# Altium PCB Mynd_Main.PcbDoc (part 5 of 5)
Units mm, origin at the board's own origin, x right, y up, seen from the top; angles counter-clockwise.
Board outline 75 x 136 mm, 4 copper layers (Component Side, Mid Layer 1, Mid Layer 2, Solder Side), stack 1.58 mm thick; 561 components, 261 nets, 1529 pads, 1417 vias.
Unrouted connection lines stored in the file: 7.
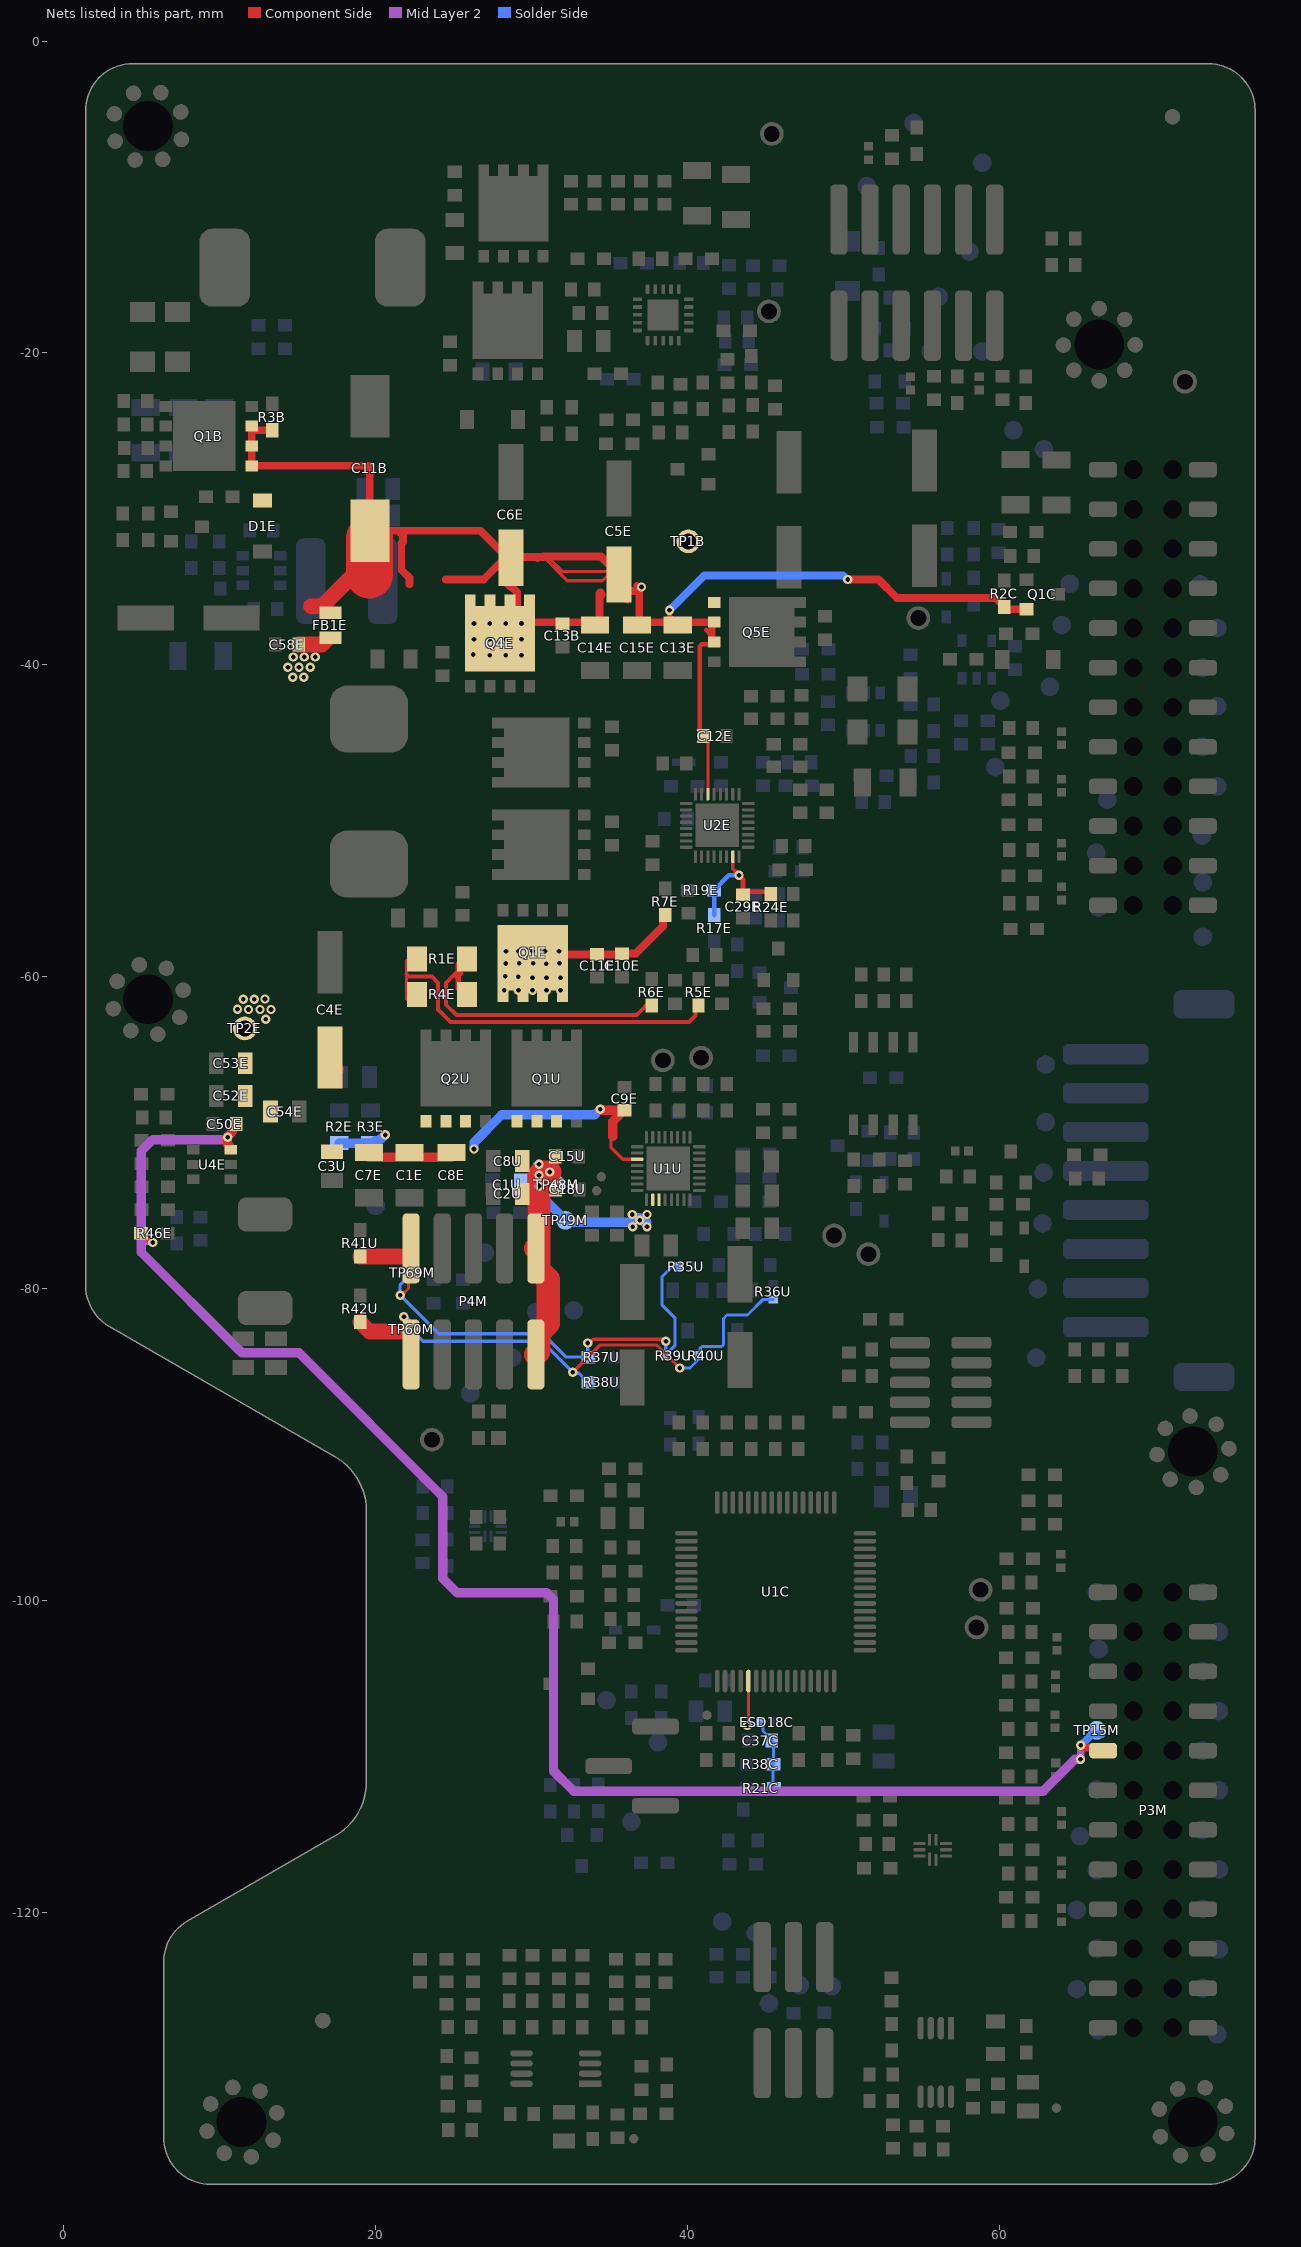
[diagram p7: the nets of this part, all layers, seen from the top]

## Via types
v1: diameter 0.6, hole 0.3, Component Side to Solder Side, tented both sides, 1239 vias
v2: diameter 0.61, hole 0.305, Component Side to Solder Side, tented both sides, 110 vias
v3: diameter 0.7, hole 0.3, Component Side to Solder Side, tented both sides, 50 vias
v4: diameter 0.55, hole 0.25, Component Side to Solder Side, tented both sides, 15 vias
v5: diameter 0.65, hole 0.3, Component Side to Solder Side, tented both sides, 2 vias
v6: diameter 0.55, hole 0.3, Component Side to Solder Side, tented both sides, 1 vias

## Nets (pads, with @x,y where several pads share a name; then routed paths per layer and width w, separated by ;. In a path a pad name is that pad's centre, name@x,y a point inside that pad or via, vN(x,y) a via of type N, cw(c..) or ccw(c..) an arc to the next point about the centre after c; other vN are vias at no path point) (continued)
USB_SBU1: P4M.9 R35U.2 R37U.2 R39U.1 R41U.2 TP69M.1 | length 35.8
  Component Side w0.2: v1(21.567,-80.432) 21.668,-80.432 22.1,-80 22.1,-77.95 22.1,-77.599 P4M.9@22.267,-77.432 ; v1(33.6,-83.5) 33.708,-83.5 33.955,-83.253 34.093,-83.253 34.095,-83.255 38.368,-83.255 38.502,-83.39 v1(38.61,-83.39)
  Component Side w1: R41U.2@19,-77.95 P4M.9@22.1,-77.95
  Solder Side w0.2: TP69M.1@22.334,-79 21.567,-79.767 v1(21.567,-80.432) 24.035,-82.9 30.709,-82.9 32.209,-84.4 R37U.2@33.65,-84.4 33.6,-84.35 v1(33.6,-83.5) ; R39U.1@38.6,-84.3 R39U.1@38.6,-84.25 ; v1(38.61,-83.39) 38.6,-83.4 R39U.1@38.6,-84.25 ; R35U.2@39.4,-78.6 39.367,-78.633 38.967,-78.633 38.37,-79.23 38.37,-81.07 39.2,-81.9 39.2,-83.65 R39U.1@38.6,-84.25
USB_SBU2: P4M.10 R36U.2 R38U.1 R40U.1 R42U.2 TP60M.1 | length 35.6
  Component Side w0.2: v1(21.807,-81.81) 21.883,-81.886 21.883,-82.053 22.267,-82.437 P4M.10@22.267,-82.807 ; v1(32.633,-85.361) 34.359,-83.635 38.035,-83.635 v1(39.5,-85.1)
  Component Side w1: R42U.2@19,-82.15 19.607,-82.757 22.217,-82.757 P4M.10@22.267,-82.807
  Solder Side w0.2: v1(21.807,-81.81) 21.915,-81.81 TP60M.1@22.314,-82.209 ; TP60M.1@22.267,-82.622 23.027,-83.382 30.654,-83.382 v1(32.633,-85.361) 32.71,-85.438 33.038,-85.438 33.6,-86 R38U.1@33.65,-86 ; v1(39.5,-85.1) 40.15,-85.1 40.8,-84.45 R40U.1@40.8,-84.3 ; R40U.1@40.7,-84.3 R40U.1@40.8,-84.3 ; R36U.2@45.5,-80.7 44.846,-80.7 43.846,-81.7 42.53,-81.7 42.3,-81.93 42.3,-83.603 42.183,-83.72 40.929,-83.72 40.811,-83.837 40.811,-84.289 R40U.1@40.8,-84.3
VbatADC: C37C.1 ESD18C.2 R21C.1 R38C.2 U1C.21 | length 8.4
  Component Side w0.2: v1(43.82,-108.026) 43.82,-107.918 43.9,-107.838 U1C.21@43.9,-105.175
  Solder Side w0.2: v1(43.82,-108.026) 43.823,-108.023 44.485,-108.023 44.66,-107.848 ESD18C.2@44.66,-107.823 44.835,-107.998 44.835,-108.378 45.398,-108.941 C37C.1@45.398,-108.991 45.515,-109.108 R38C.2@45.515,-110.515 45.488,-110.543 45.488,-111.999 R21C.1@45.529,-112.04
VBUS: C1E.1 C3U.1 C4E.1 C7E.2 C8E.2 C9E.1 Q2U.1 Q2U.2 Q2U.3 R1E.1 R2E.1 R3E.1 R4E.1 R5E.1 U1U.19 | length 49.3
  Component Side w0.2: 21.967,-61.457 21.967,-59.865 21.967,-58.957 ; 35.2,-70.25 35.1,-70.35 35.1,-70.97 35.838,-71.708 U1U.19@36.757,-71.708
  Component Side w0.25: 21.967,-59.865 22.102,-60 23.6,-60 24,-60.4 24,-62.1 24.8,-62.9 40.1,-62.9 40.5,-62.5 R5E.1@40.5,-61.85
  Component Side w0.6: C4E.1@17.167,-66.782 17.167,-66.432 C4E.1@17.667,-65.932 ; C7E.2@19.567,-71.582 C8E.2@24.867,-71.582 ; v1(34.4,-68.5) 34.477,-68.577 C9E.1@35.917,-68.577 ; 35.2,-70.25 35.2,-69.294 35.817,-68.677 35.867,-68.677 C9E.1@35.967,-68.577
  Solder Side w0.6: R2E.1@17.667,-70.682 19.817,-70.682 19.967,-70.532 20.187,-70.532 20.318,-70.401 20.349,-70.401 v1(20.6,-70.15) ; v1(26.3,-71.05) 26.3,-70.634 28.084,-68.85 34.05,-68.85 v1(34.4,-68.5)
VBUS_2: C10E.2 C11E.1 Q1E.5 Q1E.6 Q1E.7 Q1E.8 R1E.2 R4E.2 R6E.1 R7E.1 | length 29.1
  Component Side w0.25: 25.292,-60.008 25.5,-59.8 ; R1E.2@25.292,-59.608 25.068,-59.832 24.5,-60.4 24.5,-61.8 25.17,-62.47 36.73,-62.47 37.025,-62.175 ; 37.025,-62.175 R6E.1@37.436,-61.764
  Component Side w0.35: 25.167,-59.932 25.267,-59.932 ; R4E.2@25.567,-61.332 25.567,-61.007 25.292,-60.732 25.292,-60.008 25.292,-59.957 25.267,-59.932 ; R1E.2@25.567,-58.932 25.292,-59.207 25.292,-59.608 25.292,-59.907 25.267,-59.932 ; R4E.2@25.767,-61.232 R4E.2@25.767,-61.132
  Component Side w0.5: Q1E.8@30.072,-58.782 30.288,-58.565 Q1E.8@31.751,-58.565 ; Q1E.8@31.751,-58.587 34.667,-58.587 34.967,-58.587 34.972,-58.582 35.8,-58.582 35.865,-58.517 36.683,-58.517 38.425,-56.775 38.425,-56.2 R7E.1@38.575,-56.05
  other v1: 28.251,-60.865 29.151,-60.865 30.051,-60.865 30.951,-60.865 31.851,-60.865 30.051,-60.065 30.951,-60.065 31.851,-60.065 29.133,-60.007 28.308,-59.982 30.933,-59.182 28.333,-59.157 29.2,-59.15 30.1,-59.15 31.783,-59.132 28.351,-58.365 29.151,-58.365 30.051,-58.365 30.851,-58.365 31.751,-58.365
VBUS_C: C1U.1 C2U.1 C8U.1 C15U.1 C18U.1 P4M.1 P4M.2 Q1U.1 Q1U.2 Q1U.3 TP48M.1 TP49M.1 U1U.26 U1U.27 | length 22.8
  Component Side w1.5: P4M.2@30.267,-84.232 30.467,-84.032 30.467,-82.732 30.567,-82.732 31.053,-82.246 31.053,-79.418 30.567,-78.932 30.467,-78.932 30.467,-77.632 P4M.1@30.267,-77.432 ; P4M.1@30.467,-77.432 v1(30.467,-73.432) v1(30.467,-72.732) 30.667,-72.532 v1(31.167,-72.532)
  Solder Side w0.6: v1@30.367,-72.632 30.317,-72.582 30.317,-72.182 v1(30.467,-72.032) ; v1(30.467,-72.732) 30.417,-72.782 30.417,-73.432 v1(30.467,-73.432) 30.467,-73.932 31.99,-75.454 TP49M.1@32.167,-75.632 ; TP49M.1@32.367,-75.432 32.696,-75.76 36.375,-75.76 36.685,-75.45 36.9,-75.45 37.2,-75.75 v1@37.4,-75.75
  other v1: 36.48,-76.03 37.4,-76.03 36.93,-75.63 36.45,-75.25 37.4,-75.25
VDDA: C29E.1 R17E.2 R19E.2 R24E.1 U2E.7 | length 7.9
  Component Side w0.2: U2E.7@42.9,-52.3 42.9,-53.1 43.05,-53.25
  Component Side w0.3: 43.05,-53.25 v1(43.3,-53.5) 43.55,-53.75 43.55,-54.55 45.225,-54.55 R24E.1@45.325,-54.65
  Solder Side w0.3: R17E.2@41.7,-56.05 R19E.2@41.7,-54.45 42.65,-53.5 v1(43.3,-53.5)
VSys: C5E.1 C6E.1 C11B.1 C12E.2 C13B.2 C13E.2 C14E.2 C15E.2 D1E.A FB1E.1 Q1B.1 Q1B.2 Q1B.3 Q1C.S Q4E.5 Q4E.6 Q4E.7 Q4E.8 Q5E.1 Q5E.2 Q5E.3 R2C.2 R3B.1 TP1B.1 U2E.22 | length 119.9
  Component Side w0.2: 29.942,-33.007 30.667,-33.007 30.742,-33.082 ; 30.617,-32.982 30.742,-32.982 ; 30.742,-33.057 32.292,-34.607 34.542,-34.607 35.142,-34.007 31.967,-34.007 31.017,-33.057 30.917,-32.957 30.742,-32.957 ; C12E.2@40.775,-44.375 40.962,-44.562 40.985,-44.585 C12E.2@41.3,-44.9 ; U2E.22@41.3,-48.3 C12E.2@41.3,-44.925 ; Q5E.3@41.7,-38.535 Q5E.2@41.7,-37.265
  Component Side w0.3: v1(38.842,-36.507) 38.842,-36.882 39.225,-37.265 C13E.2@39.367,-37.407 ; C12E.2@40.775,-44.375 40.775,-38.825 40.92,-38.68 Q5E.3@41.555,-38.68 ; 41.192,-37.757 41.467,-38.032 ; 41.467,-37.732 41.467,-38.032 ; 41.467,-38.032 41.555,-38.12 Q5E.3@41.555,-38.39 ; 41.467,-38.032 41.467,-38.302 Q5E.3@41.555,-38.39 ; Q5E.3@41.555,-38.68 Q5E.3@41.555,-38.39 ; Q5E.3@41.555,-38.68 Q5E.3@41.7,-38.535 Q5E.3@41.555,-38.39
  Component Side w0.5: R3B.1@13.367,-24.957 12.302,-24.957 Q1B.3@12.042,-24.697 Q1B.2@12.042,-25.967 Q1B.1@12.042,-27.237 19.617,-27.237 C11B.1@19.617,-31.407 21.455,-31.407 ; 22.16,-34.839 22.16,-34.425 21.642,-33.907 21.642,-32.22 21.747,-32.114 21.747,-31.7 21.455,-31.407 ; 24.492,-34.522 26.927,-34.522 28.367,-33.082 29.667,-33.082 29.692,-33.107 29.717,-33.082 30.292,-33.082 30.367,-33.157 30.442,-33.082 30.742,-33.082 ; C6E.1@28.367,-33.057 26.717,-31.407 21.455,-31.407 ; C6E.1@28.373,-34.742 28.626,-34.996 28.711,-34.996 29.065,-35.35 29.065,-38.2 30,-37.265 C14E.2@34.5,-37.265 ; 30.742,-33.057 31.017,-33.057 34.442,-33.057 C5E.1@35.217,-33.832 ; C14E.2@34.35,-37.19 34.35,-35.424 34.392,-35.382 ; 34.38,-35.369 34.392,-35.382 ; 34.43,-35.344 34.392,-35.382 ; 34.492,-35.482 34.392,-35.382 ; C5E.1@35.242,-34.907 35.292,-34.957 35.317,-34.982 35.905,-35.569 C5E.1@36.15,-35.815 ; C5E.1@35.417,-34.732 C5E.1@35.492,-34.807 ; C5E.1@36.03,-35.444 36.205,-35.269 36.779,-35.269 v1@36.9,-35.149 ; v1@36.767,-34.932 36.9,-35.065 v1@36.9,-35.149 ; v1(37.042,-35.007) v1@36.9,-35.149 ; Q5E.2@41.7,-37.265 39.225,-37.265 36.9,-37.265 v1@36.9,-35.149 ; v1(50.267,-34.532) 52.242,-34.532 53.417,-35.707 59.742,-35.707 R2C.2@60.317,-36.282 ; R2C.2@60.317,-36.432 Q1C.S@61.742,-36.432
  Component Side w1: 15.85,-36.246 16.559,-36.246 18.555,-34.25 19.6,-34.25
  Component Side w3: 19.6,-34.25 C11B.1@19.6,-31.907
  Solder Side w0.5: v1(38.842,-36.507) 41.083,-34.265 49.973,-34.265 50.24,-34.532 v1(50.267,-34.532)
  other v1: 27.319,-39.381 28.335,-39.381 29.351,-39.381 26.247,-39.341 26.303,-38.365 27.319,-38.365 28.335,-38.365 29.351,-38.365 26.303,-37.349 27.319,-37.349 28.335,-37.349 29.351,-37.349
VSys1: C50E.1 C52E.1 C53E.1 C54E.1 C58E.1 FB1E.2 P3M.9 R46E.1 TP2E.1 TP15M.1 U4E.3 | length 106.9
  Component Side w0.3: R46E.1@4.95,-76.45 5,-76.45 5.542,-76.993 5.643,-76.993 v1(5.7,-77.05)
  Component Side w0.5: v1(65.213,-109.287) 65.24,-109.287 65.392,-109.439 66.449,-109.439 P3M.9@66.65,-109.64
  Component Side w0.6: U4E.3@10.7,-71.1 10.6,-71.1 10.6,-70.849 10.475,-70.724 10.475,-70.275 10.795,-69.955 10.795,-69.75 11.045,-69.5 C50E.1@11.045,-69.45
  Component Side w1: C58E.1@15.055,-38.7 16.547,-38.7 FB1E.2@16.894,-38.352
  Mid Layer 2 w0.3: 4.965,-77.05 v1(5.7,-77.05)
  Mid Layer 2 w0.5: v1@65.213,-110.198 v1(65.213,-109.287)
  Mid Layer 2 w0.6: v1@10.3,-70.45 5.7,-70.45 4.965,-71.185 4.965,-76.315 4.965,-77.05 4.965,-77.683 11.231,-83.949 11.407,-84.125 15.075,-84.125 24.3,-93.35 24.3,-98.6 25.217,-99.517 30.967,-99.517 31.4,-99.95 31.4,-110.95 32.7,-112.25 62.799,-112.25 64.851,-110.198 v1(65.195,-110.198)
  Solder Side w0.5: v1(65.213,-109.287) 65.24,-109.287 65.935,-108.592 TP15M.1@66.567,-108.592
  other v1: 10.5,-70.3 12.945,-62.722 11.13,-62.1 11.841,-62.103 12.578,-62.103 13.284,-62.103 11.5,-61.443 12.2,-61.443 12.9,-61.432 14.681,-40.792 15.392,-40.792 14.368,-40.149 15.08,-40.149 15.792,-40.149 14.705,-39.5 15.418,-39.5 16.129,-39.5
pads on no net: MK1M.0 MK1M.1 MK1M.MK_B MK1M.MKT MK2M.0 MK2M.1 MK2M.MK_B MK2M.MKT P2C.3 P2C.6 P2C.7 P2C.8 P2C.9 P2M.M1 P2M.M2 P2M.M3 P2M.M4 P2M.M5 P2M.M6 P2M.M7 P2M.M8 P2M.M9 P2M.M10 P2M.M11 P2M.M12 P2M.M13 P2M.M14 P2M.M15 P2M.M16 P2M.M17 P2M.M18 P2M.M19 P2M.M20 P2M.M21 P2M.M22 P2M.M23 P2M.M24 P3M.M1 P3M.M2 P3M.M3 P3M.M4 P3M.M5 P3M.M6 P3M.M7 P3M.M8 P3M.M9 P3M.M10 P3M.M11 P3M.M12 P3M.M13 P3M.M14 P3M.M15 P3M.M16 P3M.M17 P3M.M18 P3M.M19 P3M.M20 P3M.M21 P3M.M22 P3M.M23 P3M.M24 U1C.3 U1C.4 U1C.5 U1C.52 U1C.53 U1C.56 U1U.13 U1U.18 U2B.1 U2E.5

## Polygon pours and split planes (outlines as drawn)
GND on Mid Layer 2 "NONET_L-01_P-001" (solid, remove dead copper, pour order 49): 9.34,-137.394 cw(c9.34,-134.394) 6.34,-134.394 6.34,-123.132 cw(c9.34,-123.132) 7.84,-120.534 17.34,-115.049 ccw(c15.34,-111.585) 19.34,-111.585 19.34,-94.204 ccw(c15.34,-94.204) 17.34,-90.74 2.84,-82.368 cw(c4.34,-79.77) 1.34,-79.77 1.34,-4.394 cw(c4.34,-4.394) 4.34,-1.394 73.34,-1.394 cw(c73.34,-4.394) 76.34,-4.394 76.34,-134.394 cw(c73.34,-134.394) 73.34,-137.394
3V3_MCU on Mid Layer 2 "3.3V_MCU" (solid, remove dead copper, pour order 40): 35.925,-104.8 42.386,-111.261 50.089,-111.261 55.4,-105.95 55.4,-86.75 40.9,-86.75 35.925,-91.725
VSys1 on Mid Layer 2 "NONET_L-01_P-001" (solid, pour order 47): 10.311,-37.871 7.468,-40.715 7.468,-56.159 9.855,-58.547 9.855,-64.284 13.16,-64.284 13.919,-63.525 13.97,-63.525 13.97,-57.125 11.913,-55.067 11.913,-42.469 13.056,-41.326 15.875,-41.326 16.553,-40.648 16.553,-37.871
24V on Mid Layer 2 "NONET_L-01_P-001" (solid, pour order 46): 43.5,-5.2 46.9,-5.2 50.866,-9.166 50.866,-25.334 45.634,-25.334 43.5,-23.2 43.5,-9.3
GND on Solder Side "NONET_L-01_P-001" (solid, remove dead copper, pour order 38): 9.023,-137.401 cw(c9.023,-134.401) 6.023,-134.401 6.023,-123.139 cw(c9.023,-123.139) 7.523,-120.541 17.023,-115.056 ccw(c15.023,-111.592) 19.023,-111.592 19.023,-94.211 ccw(c15.023,-94.21) 17.023,-90.746 2.523,-82.375 cw(c4.023,-79.777) 1.023,-79.777 1.023,-4.401 cw(c4.023,-4.401) 4.023,-1.401 73.023,-1.401 cw(c73.023,-4.401) 76.023,-4.401 76.023,-134.401 cw(c73.023,-134.401) 73.023,-137.401
GND on Component Side "NONET_L-01_P-001" (solid, remove dead copper, pour order 42): 9.34,-137.394 cw(c9.34,-134.394) 6.34,-134.394 6.34,-123.132 cw(c9.34,-123.132) 7.84,-120.534 17.34,-115.049 ccw(c15.34,-111.585) 19.34,-111.585 19.34,-94.204 ccw(c15.34,-94.204) 17.34,-90.74 2.84,-82.368 cw(c4.34,-79.77) 1.34,-79.77 1.34,-4.394 cw(c4.34,-4.394) 4.34,-1.394 73.34,-1.394 cw(c73.34,-4.394) 76.34,-4.394 76.34,-134.394 cw(c73.34,-134.394) 73.34,-137.394
GND on Mid Layer 1 (split plane): 73.4,-1.96 73.563,-1.96 73.887,-2.003 74.202,-2.088 74.503,-2.212 74.786,-2.376 75.045,-2.574 75.276,-2.805 75.474,-3.064 75.638,-3.347 75.762,-3.648 75.847,-3.963 75.89,-4.287 75.89,-4.45 75.89,-134.45 75.89,-134.613 75.847,-134.937 75.762,-135.252 75.638,-135.553 75.474,-135.836 75.276,-136.095 75.045,-136.326 74.786,-136.524 74.503,-136.688 74.202,-136.812 73.887,-136.897 73.563,-136.94 73.4,-136.94 9.4,-136.94 9.237,-136.94 8.913,-136.897 8.598,-136.812 8.297,-136.688 8.014,-136.524 7.755,-136.326 7.524,-136.095 7.326,-135.836 7.162,-135.553 7.038,-135.252 6.953,-134.937 6.91,-134.613 6.91,-134.45 6.91,-123.188 6.91,-123.024 6.953,-122.701 7.038,-122.386 7.162,-122.084 7.326,-121.802 7.524,-121.543 7.755,-121.312 8.014,-121.113 8.155,-121.032 17.655,-115.547 17.662,-115.542 17.67,-115.538 17.892,-115.4 17.912,-115.385 17.933,-115.371 18.348,-115.053 18.373,-115.03 18.398,-115.009 18.768,-114.639 18.79,-114.613 18.812,-114.589 19.131,-114.174 19.148,-114.145 19.168,-114.118 19.43,-113.665 19.443,-113.635 19.459,-113.605 19.659,-113.122 19.669,-113.09 19.681,-113.058 19.816,-112.553 19.822,-112.52 19.829,-112.488 19.898,-111.969 19.898,-111.944 19.902,-111.919 19.91,-111.657 19.91,-111.649 19.91,-111.641 19.91,-94.259 19.91,-94.251 19.91,-94.243 19.902,-93.981 19.898,-93.956 19.898,-93.931 19.829,-93.412 19.822,-93.38 19.816,-93.347 19.681,-92.842 19.669,-92.81 19.659,-92.778 19.459,-92.295 19.443,-92.265 19.43,-92.235 19.168,-91.782 19.148,-91.755 19.131,-91.726 18.812,-91.311 18.789,-91.287 18.768,-91.261 18.398,-90.891 18.373,-90.87 18.348,-90.847 17.933,-90.529 17.912,-90.515 17.892,-90.5 17.67,-90.362 17.662,-90.358 17.655,-90.353 3.155,-81.982 3.014,-81.9 2.755,-81.701 2.524,-81.471 2.326,-81.212 2.162,-80.929 2.038,-80.628 1.953,-80.312 1.91,-79.989 1.91,-79.826 1.91,-4.45 1.91,-4.287 1.953,-3.963 2.038,-3.648 2.162,-3.347 2.326,-3.064 2.524,-2.805 2.755,-2.574 3.014,-2.376 3.297,-2.212 3.598,-2.088 3.913,-2.003 4.237,-1.96 4.4,-1.96

## Keep-outs
Keep-Out Layer:
  circle w0.1: c67.4,-133.45 r1
  lines w0.1: 1.4,-79.826 ccw(c4.4,-79.826) 2.9,-82.424 17.4,-90.795 cw(c15.4,-94.259) 19.4,-94.259 19.4,-111.641 cw(c15.4,-111.641) 17.4,-115.105 7.9,-120.59 ccw(c9.4,-123.188) 6.4,-123.188 6.4,-134.45 ccw(c9.4,-134.45) 9.4,-137.45 73.4,-137.45 ccw(c73.4,-134.45) 76.4,-134.45 76.4,-4.45 ccw(c73.4,-4.45) 73.4,-1.45 4.4,-1.45 ccw(c4.4,-4.45) 1.4,-4.45 1.4,-79.826 ; 4.4,-10.95 ccw(c5.4,-10.95) 6.4,-10.95 6.4,-9.95 ccw(c5.4,-9.95) 4.4,-9.95 4.4,-10.95

## Other copper
Component Side:
  region net VSys1: 10.262,-70.155 10.236,-70.129 10.49,-69.875 10.49,-62.103 11.506,-61.087 13.081,-61.087 13.564,-61.57 13.564,-68.986 11.151,-71.399 10.262,-71.399
  region net VSys1: 15.519,-41.097 14.351,-41.097 13.995,-40.742 13.995,-39.726 14.503,-39.218 14.503,-38.202 14.834,-37.871 17.729,-37.871 17.805,-37.948 17.805,-38.811
  region net VSys: 15.621,-37.135 15.113,-36.627 15.113,-31.267 16.383,-29.997 21.332,-29.997 21.793,-30.458 21.793,-35.433 20.066,-37.16 18.567,-37.16 18.542,-37.135
  region net 3V3_STB: 29.5,-101.307 29.996,-101.803 31.699,-101.803 31.801,-101.702 31.801,-99.339 29.5,-99.339
  region net VBUS_C: 37.737,-74.746 37.425,-75.059 37.425,-75.225 37.4,-75.25 37.499,-75.349 37.9,-75.349 37.9,-74.909
  region net VBUS_C: 36.167,-74.938 36.919,-74.938 37.667,-74.938 37.667,-74.449 37.808,-74.308 38.217,-74.308 38.217,-75.346 37.9,-75.663 37.9,-76.327 36.373,-76.327 36.167,-76.121
  pour cut-out: 50.3,-68.8 54.773,-68.898 54.773,-71.677 53.674,-72.775 50.375,-72.775 50.043,-72.443 50.043,-69.057
  pour cut-out: 64.621,-83.578 67.821,-83.578 67.921,-83.678 67.921,-84.278 67.821,-84.378 64.521,-84.378 64.643,-84.256 64.643,-83.599
  pour cut-out: 64.8,-85.2 68,-85.2 68.1,-85.3 68.1,-85.9 68,-86 64.7,-86 64.821,-85.879 64.821,-85.221
  pour cut-out: 67.8,-97.6 67.8,-120.196 67.85,-120.247 71.85,-120.247 72,-120.096 72,-98.86 71.735,-98.595 71.735,-98.565 70.77,-97.6 67.9,-97.6
  region net NetR14E_1: 53.5,-45.2 52.9,-44.6 52.9,-41 53.1,-40.8 55,-40.8 55.5,-41.3 55.5,-45 55.3,-45.2
  region net NetC24E_1: 51.5,-42.4 51.5,-37.7 47.782,-37.7 46.9,-36.818 46.9,-40.1 49.2,-42.4
  pour cut-out: 26,-95.15 28.3,-95.15 28.3,-95.95 26,-95.95
  region net 5V_CCPD: 34.2,-79.95 34.2,-81.599 34.401,-81.8 43.2,-81.8 44.3,-80.7 44.3,-77.7 43.7,-77.1 40.9,-77.1 39,-75.2 39,-73.95 38.6,-73.95 38.5,-74.05 38.5,-75.35 38.1,-75.75 38.1,-78.25 37.9,-78.45 35.7,-78.45 34.379,-79.771
  region net 5V_CCPD: 25.9,-89.35 25.618,-89.068 23.482,-89.032 14.5,-80.05 11.344,-80.05 10.667,-80.727 10.667,-84.032 10.785,-84.15 14.3,-84.15 21.882,-91.732 25.618,-91.732 25.9,-91.45
  region net 24V: 25.092,-5.032 48.4,-5.032 48.4,-20.265 52.485,-24.35 66.817,-24.35 66.817,-25.8 67.9,-26.883 67.68,-27.103 67.68,-29.465 67.263,-29.882 65.817,-29.882 64.742,-28.807 45.842,-28.807 45.842,-24.882 46.5,-24.224 46.5,-12.5 43.557,-9.557 26.642,-9.557 25.092,-8.007
  pour cut-out: 26.565,-88.35 27.95,-88.35 27.95,-89.15 26.565,-89.15
  region net NetC42E_1: 9,-36.75 9,-38.32 9.431,-38.751 10.621,-38.751 11.2,-38.172 11.2,-36.15 9.6,-36.15
  region net VBUS_2: 25.767,-57.432 32.567,-57.432 32.672,-57.537 32.672,-61.882 32.617,-61.882 32.467,-62.032 25.567,-62.032 25.067,-61.532 25.067,-57.532 25.167,-57.432
  region net NetC2E_2: 39.551,-51.665 39.511,-51.705 39.511,-52.105 39.051,-52.565 39.051,-53.165 39.251,-53.365 39.751,-53.365 40.2,-52.916 40.2,-51.662
  region net NetC3E_2: 40.351,-45.065 40.9,-45.615 40.9,-47.416 40.851,-47.465 40.751,-47.365 40.251,-47.365 39.68,-46.795 39.68,-45.095 39.651,-45.065 40.251,-45.065
  region net NetC51E_1: 11,-71.65 13.5,-71.65 14.8,-72.95 14.8,-76.15 14.484,-76.465 11.36,-76.466 11.36,-72.61 11,-72.25
  region net VBUS_C: 29.567,-86.132 32.067,-86.132 32.067,-69.332 31.467,-68.732 28.167,-68.732 28.167,-69.782 28.517,-70.132 28.517,-74.282 29.567,-75.332
  region net NetC3E_2: 17.867,-45.832 24.867,-45.832 26.667,-47.632 32.467,-47.632 32.467,-42.132 29.317,-42.132 28.951,-41.766 28.951,-40.832 17.767,-40.832 16.867,-41.732 16.867,-44.832 17.767,-45.732
  region net VBUS: 22.81,-68.832 26.11,-68.832 26.31,-69.032 26.31,-72.532 26.11,-72.732 18.382,-72.732 16.367,-70.717 16.367,-61.874 16.51,-61.732 17.984,-61.732 19.11,-60.607 19.11,-57.989 19.367,-57.732 23.267,-57.732 23.409,-57.874 23.41,-62.112 22.504,-62.112 21.31,-63.307 21.31,-69.332 21.71,-69.732 22.625,-69.732 22.81,-69.547
  region net NetQ1U_5: 23.227,-63.732 32.867,-63.732 33.367,-64.232 33.367,-68.032 33.067,-68.332 23.267,-68.332 22.867,-67.932 22.867,-63.832
  region net NetC2E_2: 16.917,-54.165 16.917,-50.432 31.417,-50.432 32.517,-51.532 32.517,-56.232 29.617,-56.232 28.517,-55.032 17.862,-55.032
  region net 24V: 26.2,-8.596 26.2,-12.85 27.646,-12.85 27.836,-12.66 27.836,-9.104 27.328,-8.596
  region net VSys: 11.767,-24.357 11.792,-24.382 16.642,-24.382 17.992,-25.732 26.167,-25.732 26.567,-26.132 26.567,-29.357 28.042,-30.832 40.567,-30.832 41.921,-32.186 41.921,-38.232 27.917,-38.232 25.117,-35.432 20.082,-35.432 14.5,-29.85 12.86,-29.85 11.592,-28.582 11.592,-24.357
  region net NetL1B_1: 7.4,-11.249 3.809,-14.84 3.809,-18.065 11.216,-18.065 12.699,-16.583 12.699,-11.503 12.445,-11.249 11.683,-11.249
  region net NetC2B_2: 7.984,-19.824 9.767,-21.607 11.617,-21.607 11.617,-21.657 11.717,-21.757 11.717,-22.382 11.167,-22.932 11.167,-27.682 10.917,-27.932 5.317,-27.932 4.742,-27.357 4.742,-22.457 3.851,-21.565 3.851,-19.824
  pour cut-out: 35.25,-48.736 35.25,-50.514 35.758,-50.514 35.758,-48.736
  region net 24V: 66.367,-24.35 73.623,-24.35 73.992,-24.719 73.992,-30.407 72.18,-30.407 72.18,-26.12 68.638,-26.12 67.852,-26.906 66.367,-25.421
  pour cut-out: 46.853,-35.949 46.853,-39.886 47.246,-39.886 47.615,-39.517 47.615,-36.283 47.281,-35.949
  pour cut-out: 17.342,-43.407 24.542,-43.407 24.542,-53.44 14.592,-53.44 14.592,-43.407
  region net 24V: 68.199,-28.339 71.751,-28.339 72.36,-27.73 72.979,-27.73 73.015,-27.694 73.015,-29.985 73.05,-30.02 72.801,-30.02 71.931,-29.15 68.13,-29.15 67.51,-29.77 67.173,-29.77 67.173,-27.567 67.3,-27.44
  region net VSys1: 65.403,-109.009 65.022,-109.39 65.022,-110.252 65.268,-110.498 66.438,-110.498 66.438,-109.255 66.192,-109.009 65.022,-109.009
  region net intBat: 48.23,-43.675 51.852,-43.675 52.4,-44.223 52.4,-48.541 65.502,-61.643 69.058,-61.643 69.058,-66.977 63.851,-66.977 50.516,-53.642 50.516,-51.55 49.627,-50.661 49.627,-48.697 48.23,-48.697
  region net NetC17B_1: 28.979,-13.182 31.646,-15.849 31.646,-18.604 30.663,-19.587 22.722,-19.587 20.167,-17.032 20.167,-14.332 21.317,-13.182
  pour cut-out: 3.959,-18.05 5.641,-18.05 6.059,-18.467 6.059,-19.275 5.709,-19.625 3.959,-19.625
  pour cut-out: 19.742,-16.407 20.467,-17.132 23.042,-17.132 23.042,-20.432 23.017,-20.457 9.442,-20.457 9.442,-17.557 12.392,-17.557 12.392,-11.157 9.442,-11.157 9.442,-8.357 24.167,-8.357 24.167,-11.587 19.742,-11.587
Mid Layer 2:
  region net 5V_CCPD: 22.887,-90.337 24.5,-91.95 32.15,-91.95 37.3,-86.8 37.3,-80.45 36.482,-79.632 34.1,-79.632 34.1,-85.6 30.95,-88.75 23.1,-88.75 22.887,-88.963
  region net 3V3_STB: 73.967,-36.37 73.967,-37.032 73.767,-37.232 72.067,-37.232 71.205,-36.37
  region net 3V3_STB: 31.55,-28.3 31.55,-29.5 32.1,-30.05 32.494,-30.05 33.5,-29.044 33.5,-28.3
  region net 3V3_STB: 28.6,-100.25 30.351,-100.25 30.351,-101.901 28.6,-101.901
  region net VSys1: 64.695,-110.544 65.314,-110.544 65.716,-110.141 65.716,-109.295 65.522,-109.101 64.887,-109.101 64.506,-109.482 64.506,-110.355
Solder Side:
  pour cut-out: 54.1,-43.905 54.1,-48.5 56.231,-48.5 56.3,-48.569 56.4,-48.469 56.4,-43.601 56.4,-43.6 54.405,-43.6
  region net VBUS_C: 37.25,-76.75 32.45,-76.75 29,-73.3 29,-72.15 29.7,-71.45 31,-71.45 34.35,-74.8 37.15,-74.8 37.7,-75.35 37.7,-76.3
  region net 5V_CCPD: 64.5,-126.45 66.201,-126.45 66.921,-127.17 66.921,-128.129 66.7,-128.35 64.7,-128.35 64.5,-128.15 64.5,-128.05
  region net NetC42E_1: 9.425,-37.639 13.989,-37.639 14,-37.65 13.985,-37.65 11.285,-40.35 9.57,-40.35 9.215,-39.995 9.215,-37.849
  region net 24V: 26.701,-12.685 26.701,-9.486 27.001,-9.185 30.781,-9.185 31.085,-9.489 31.085,-12.529 30.829,-12.785 26.801,-12.785
  region net VSys: 25.847,-40.141 25.847,-36.942 26.147,-36.641 29.927,-36.641 30.231,-36.945 30.231,-39.985 29.975,-40.241 25.947,-40.241
  region net VBUS_2: 32.551,-57.866 32.651,-57.966 32.651,-61.165 32.351,-61.465 27.482,-61.465 27.482,-57.866
  region net NetC24E_1: 42.451,-35.265 45.521,-35.265 45.851,-35.595 45.851,-39.473 45.358,-39.965 42.798,-39.965 42.251,-39.418 42.251,-35.465
  region net NetC2E_2: 28.651,-49.565 31.851,-49.565 32.151,-49.865 32.151,-53.548 31.853,-53.845 28.831,-53.845 28.551,-53.565 28.551,-49.665
  region net NetC3E_2: 28.751,-43.447 31.853,-43.447 32.167,-43.762 32.167,-47.432 31.867,-47.732 28.867,-47.732 28.567,-47.432 28.567,-43.632
  pour cut-out: 15.492,-31.882 15.542,-31.832 21.294,-31.832 21.489,-32.027 21.489,-37.907 15.142,-37.907 14.717,-37.482 14.729,-37.47 14.729,-32.62 15.492,-31.857
  region net NetC41E_2: 14.317,-33.657 15.05,-32.924 15.267,-32.924 15.267,-34.882 15.142,-35.007 14.392,-34.257 14.12,-34.257 13.845,-33.982 13.917,-33.91 13.917,-33.657
  region net 3V3_STB: 32.282,-27.832 33.1,-28.65 33.1,-30.324 32.167,-31.257 21.292,-31.257 20.517,-30.482 20.517,-27.832
  region net NetC2B_2: 4.258,-20.965 4.042,-21.182 4.042,-23.732 4.417,-24.107 11.567,-24.107 11.717,-23.957 11.717,-20.965
  region net 24V: 63.392,-24.27 63.9,-24.778 63.9,-26.122 63.265,-26.757 60.653,-26.757 60.075,-26.179 60.075,-24.841 60.646,-24.27
  region net intBat: 62.2,-70.406 62.2,-64.036 64.72,-61.516 68.804,-61.516 69.947,-62.659 69.947,-70.279 68.869,-71.357 63.151,-71.357

## Silkscreen, mask and mechanical layers (free items; w line width, h text height)
Top Overlay:
  circle w0.1: c42.851,-17.065 r0.65
  circle w0.1: c47.551,-5.965 r0.65
  circle w0.1: c49.151,-21.965 r0.65
  circle w0.1: c35.901,-22.865 r0.65
  circle w0.1: c20.1,-4.789 r0.65
  circle w0.2: c26.158,-14.514 r0.093
  circle w0.2: c26.158,-22.089 r0.093
  region: 75.651,-58.765 65.726,-58.765 65.726,-68.965 75.651,-68.965
  lines w0.1: 2.512,-33.504 2.989,-33.027 ; 3.04,-40.356 3.04,-33.01 ; 24.3,-92.146 29.542,-92.146 ; 29.312,-92.488 29.687,-92.113 29.312,-91.738 ; 36.4,-103.8 36.7,-103.5 ; 37,-103.8 36.7,-103.5 ; 48.55,-62.696 56.641,-62.696 ; 48.692,-63.054 48.317,-62.679 48.692,-62.304 ; 54.651,-70.566 54.645,-70.571 54.645,-71.071 ; 55.151,-71.065 55.145,-71.071 54.645,-71.071 ; 58.851,-67.665 58.051,-67.665 54.645,-71.071 ; 63.2,-23.2 62.7,-23.2 ; 68.9,-23.8 63.3,-23.8 62.7,-23.2 ; 33.6,-107.3 30,-107.3 30,-113.2 33.6,-113.2 33.6,-107.3 ; 33.6,-107.3 34.1,-107.3 36.7,-104.7 36.7,-103.5 ; 36.7,-103.5 36.7,-103.5 ; 62.7,-23.7 62.7,-23.7 ; 62.7,-23.7 62.7,-23.2 ; 2.9,-48.4 8.1,-48.4 8.1,-40.5 2.9,-40.5 2.9,-48.4 ; 19.4,-120.6 34.7,-120.6 34.7,-114.7 19.4,-114.7 19.4,-120.6 ; 19.6,-100.7 24.3,-100.7 24.3,-92.1 19.6,-92.1 19.6,-100.7 ; 33.951,-26.665 37.338,-26.665 37.338,-25.807 37.551,-25.807 40.297,-25.807 41.751,-25.807 41.751,-21.107 40.617,-21.107 38.267,-21.107 37.051,-21.107 37.051,-22.049 37,-22.1 34,-22.1 33.951,-22.149 33.951,-26.665 ; 47.6,-25.465 47.6,-20.865 53.551,-20.865 53.551,-25.465 47.6,-25.465 ; 56.8,-63.845 64.515,-63.845 64.515,-59.3 56.8,-59.3 56.8,-63.845 ; 58.9,-69.1 63.1,-69.1 63.1,-65.9 58.9,-65.9 58.9,-69.1 ; 68.917,-26.2 76,-26.2 76,-22.676 68.917,-22.676 68.917,-26.2 ; 70.851,-15.1 74.951,-15.1 74.951,-7.465 70.851,-7.465 70.851,-15.1
  lines w0.2: 3.051,-33.011 3.528,-33.488 ; 8.027,-39.601 8.352,-39.926 10.202,-39.926 ; 10.608,-32.493 10.971,-32.131 ; 10.892,-39.672 11.029,-39.535 ; 28.19,-121.526 28.565,-121.901 ; 28.551,-120.665 28.551,-121.915 28.94,-121.526 ; 33.251,-69.965 33.251,-70.566 ; 33.851,-70.566 33.251,-70.566 ; 34.351,-65.165 34.351,-69.465 33.251,-70.566 ; 45.125,-87.225 45.299,-87.399 ; 59.7,-28.4 60.025,-28.4
  lines w0.35: 40.111,-53.168 ccw(c40,-53.175) 40.112,-53.177
  text "LRDPS2307-H001" at 57.1,-3.5 h1
  text "WK28.24" at 60.8,-5.3 h1
  text "1" at 19.851,-5.365 h1
  text "B" at 72.1,-7 h1
  text "B" at 42.351,-17.665 h1
  text "A" at 48.551,-22.465 h1
  text "A" at 35.351,-23.365 h1
  text "RX" at 38.151,-110.065 h1
  text "G" at 38.451,-112.353 h1
  text "TX" at 35,-113.1 h1 r90
Bottom Paste:
  region: 27.987,-11.087 26.737,-11.087 26.737,-12.462 27.987,-12.462
  region: 29.511,-11.087 28.261,-11.087 28.261,-12.462 29.511,-12.462
  region: 31.035,-11.087 29.785,-11.087 29.785,-12.462 31.035,-12.462
  region: 31.035,-9.487 29.785,-9.487 29.785,-10.862 31.035,-10.862
  region: 29.511,-9.487 28.261,-9.487 28.261,-10.862 29.511,-10.862
  region: 27.987,-9.487 26.737,-9.487 26.737,-10.862 27.987,-10.862
  rectangle: 35.495,-51.767 36.745,-50.392
  rectangle: 33.971,-51.767 35.221,-50.392
  rectangle: 35.495,-54.967 36.745,-53.592
  rectangle: 33.971,-54.967 35.221,-53.592
  rectangle: 33.971,-53.367 35.221,-51.992
  rectangle: 35.495,-53.367 36.745,-51.992
  region: 15.953,-13.697 15.953,-12.447 14.578,-12.447 14.578,-13.697
  region: 15.953,-15.221 15.953,-13.971 14.578,-13.971 14.578,-15.221
  region: 15.953,-16.745 15.953,-15.495 14.578,-15.495 14.578,-16.745
  region: 14.353,-16.745 14.353,-15.495 12.978,-15.495 12.978,-16.745
  region: 14.353,-15.221 14.353,-13.971 12.978,-13.971 12.978,-15.221
  region: 14.353,-13.697 14.353,-12.447 12.978,-12.447 12.978,-13.697
  region: 19.153,-13.697 19.153,-12.447 17.778,-12.447 17.778,-13.697
  region: 19.153,-15.221 19.153,-13.971 17.778,-13.971 17.778,-15.221
  region: 19.153,-16.745 19.153,-15.495 17.778,-15.495 17.778,-16.745
  region: 17.553,-16.745 17.553,-15.495 16.178,-15.495 16.178,-16.745
  region: 17.553,-15.221 17.553,-13.971 16.178,-13.971 16.178,-15.221
  region: 17.553,-13.697 17.553,-12.447 16.178,-12.447 16.178,-13.697
  rectangle: 20.619,-48.267 21.869,-46.892
  rectangle: 19.095,-48.267 20.345,-46.892
  rectangle: 17.571,-48.267 18.821,-46.892
  rectangle: 17.571,-46.667 18.821,-45.293
  rectangle: 19.095,-46.667 20.345,-45.293
  rectangle: 20.619,-46.667 21.869,-45.293
  rectangle: 20.619,-51.467 21.869,-50.092
  rectangle: 19.095,-51.467 20.345,-50.092
  rectangle: 17.571,-51.467 18.821,-50.092
  rectangle: 17.571,-49.867 18.821,-48.492
  rectangle: 19.095,-49.867 20.345,-48.492
  rectangle: 20.619,-49.867 21.869,-48.492
  region: 45.553,-36.697 45.553,-35.447 44.178,-35.447 44.178,-36.697
  region: 45.553,-38.221 45.553,-36.971 44.178,-36.971 44.178,-38.221
  region: 45.553,-39.745 45.553,-38.495 44.178,-38.495 44.178,-39.745
  region: 43.953,-39.745 43.953,-38.495 42.578,-38.495 42.578,-39.745
  region: 43.953,-38.221 43.953,-36.971 42.578,-36.971 42.578,-38.221
  region: 43.953,-36.697 43.953,-35.447 42.578,-35.447 42.578,-36.697
  region: 27.183,-36.963 25.933,-36.963 25.933,-38.338 27.183,-38.338
  region: 28.707,-36.963 27.457,-36.963 27.457,-38.338 28.707,-38.338
  region: 30.231,-36.963 28.981,-36.963 28.981,-38.338 30.231,-38.338
  region: 30.231,-38.563 28.981,-38.563 28.981,-39.938 30.231,-39.938
  region: 28.707,-38.563 27.457,-38.563 27.457,-39.938 28.707,-39.938
  region: 27.183,-38.563 25.933,-38.563 25.933,-39.938 27.183,-39.938
  region: 31.853,-44.698 31.853,-43.448 30.478,-43.448 30.478,-44.698
  region: 31.853,-46.222 31.853,-44.972 30.478,-44.972 30.478,-46.222
  region: 31.853,-47.746 31.853,-46.496 30.478,-46.496 30.478,-47.746
  region: 30.253,-47.745 30.253,-46.495 28.878,-46.495 28.878,-47.745
  region: 30.253,-46.221 30.253,-44.971 28.878,-44.971 28.878,-46.221
  region: 30.253,-44.697 30.253,-43.447 28.878,-43.447 28.878,-44.697
  region: 31.853,-50.798 31.853,-49.548 30.478,-49.548 30.478,-50.798
  region: 31.853,-52.322 31.853,-51.072 30.478,-51.072 30.478,-52.322
  region: 31.853,-53.846 31.853,-52.596 30.478,-52.596 30.478,-53.846
  region: 30.253,-53.845 30.253,-52.595 28.878,-52.595 28.878,-53.845
  region: 30.253,-52.321 30.253,-51.071 28.878,-51.071 28.878,-52.321
  region: 30.253,-50.797 30.253,-49.547 28.878,-49.547 28.878,-50.797
  rectangle: 31.019,-61.167 32.269,-59.792
  rectangle: 29.495,-61.167 30.745,-59.792
  rectangle: 27.971,-61.167 29.221,-59.792
  rectangle: 27.971,-59.567 29.221,-58.192
  rectangle: 29.495,-59.567 30.745,-58.192
  rectangle: 31.019,-59.567 32.269,-58.192
  region: 13.149,-79.233 13.149,-80.483 14.524,-80.483 14.524,-79.233
  region: 13.149,-77.709 13.149,-78.959 14.524,-78.959 14.524,-77.709
  region: 13.149,-76.185 13.149,-77.435 14.524,-77.435 14.524,-76.185
  region: 14.749,-76.185 14.749,-77.435 16.124,-77.435 16.124,-76.185
  region: 14.749,-77.709 14.749,-78.959 16.124,-78.959 16.124,-77.709
  region: 14.749,-79.233 14.749,-80.483 16.124,-80.483 16.124,-79.233
  region: 9.949,-79.233 9.949,-80.483 11.324,-80.483 11.324,-79.233
  region: 9.949,-77.709 9.949,-78.959 11.324,-78.959 11.324,-77.709
  region: 9.949,-76.185 9.949,-77.435 11.324,-77.435 11.324,-76.185
  region: 11.549,-76.185 11.549,-77.435 12.924,-77.435 12.924,-76.185
  region: 11.549,-77.709 11.549,-78.959 12.924,-78.959 12.924,-77.709
  region: 11.549,-79.233 11.549,-80.483 12.924,-80.483 12.924,-79.233
Bottom Solder:
  region: 27.987,-11.087 26.737,-11.087 26.737,-12.462 27.987,-12.462
  region: 29.511,-11.087 28.261,-11.087 28.261,-12.462 29.511,-12.462
  region: 31.035,-11.087 29.785,-11.087 29.785,-12.462 31.035,-12.462
  region: 31.035,-9.487 29.785,-9.487 29.785,-10.862 31.035,-10.862
  region: 29.511,-9.487 28.261,-9.487 28.261,-10.862 29.511,-10.862
  region: 27.987,-9.487 26.737,-9.487 26.737,-10.862 27.987,-10.862
  rectangle: 35.495,-51.767 36.745,-50.392
  rectangle: 33.971,-51.767 35.221,-50.392
  rectangle: 35.495,-54.967 36.745,-53.592
  rectangle: 33.971,-54.967 35.221,-53.592
  rectangle: 33.971,-53.367 35.221,-51.992
  rectangle: 35.495,-53.367 36.745,-51.992
  region: 15.953,-13.697 15.953,-12.447 14.578,-12.447 14.578,-13.697
  region: 15.953,-15.221 15.953,-13.971 14.578,-13.971 14.578,-15.221
  region: 15.953,-16.745 15.953,-15.495 14.578,-15.495 14.578,-16.745
  region: 14.353,-16.745 14.353,-15.495 12.978,-15.495 12.978,-16.745
  region: 14.353,-15.221 14.353,-13.971 12.978,-13.971 12.978,-15.221
  region: 14.353,-13.697 14.353,-12.447 12.978,-12.447 12.978,-13.697
  region: 19.153,-13.697 19.153,-12.447 17.778,-12.447 17.778,-13.697
  region: 19.153,-15.221 19.153,-13.971 17.778,-13.971 17.778,-15.221
  region: 19.153,-16.745 19.153,-15.495 17.778,-15.495 17.778,-16.745
  region: 17.553,-16.745 17.553,-15.495 16.178,-15.495 16.178,-16.745
  region: 17.553,-15.221 17.553,-13.971 16.178,-13.971 16.178,-15.221
  region: 17.553,-13.697 17.553,-12.447 16.178,-12.447 16.178,-13.697
  rectangle: 20.619,-48.267 21.869,-46.892
  rectangle: 19.095,-48.267 20.345,-46.892
  rectangle: 17.571,-48.267 18.821,-46.892
  rectangle: 17.571,-46.667 18.821,-45.293
  rectangle: 19.095,-46.667 20.345,-45.293
  rectangle: 20.619,-46.667 21.869,-45.293
  rectangle: 20.619,-51.467 21.869,-50.092
  rectangle: 19.095,-51.467 20.345,-50.092
  rectangle: 17.571,-51.467 18.821,-50.092
  rectangle: 17.571,-49.867 18.821,-48.492
  rectangle: 19.095,-49.867 20.345,-48.492
  rectangle: 20.619,-49.867 21.869,-48.492
  region: 45.553,-36.697 45.553,-35.447 44.178,-35.447 44.178,-36.697
  region: 45.553,-38.221 45.553,-36.971 44.178,-36.971 44.178,-38.221
  region: 45.553,-39.745 45.553,-38.495 44.178,-38.495 44.178,-39.745
  region: 43.953,-39.745 43.953,-38.495 42.578,-38.495 42.578,-39.745
  region: 43.953,-38.221 43.953,-36.971 42.578,-36.971 42.578,-38.221
  region: 43.953,-36.697 43.953,-35.447 42.578,-35.447 42.578,-36.697
  region: 27.183,-36.963 25.933,-36.963 25.933,-38.338 27.183,-38.338
  region: 28.707,-36.963 27.457,-36.963 27.457,-38.338 28.707,-38.338
  region: 30.231,-36.963 28.981,-36.963 28.981,-38.338 30.231,-38.338
  region: 30.231,-38.563 28.981,-38.563 28.981,-39.938 30.231,-39.938
  region: 28.707,-38.563 27.457,-38.563 27.457,-39.938 28.707,-39.938
  region: 27.183,-38.563 25.933,-38.563 25.933,-39.938 27.183,-39.938
  region: 31.853,-44.698 31.853,-43.448 30.478,-43.448 30.478,-44.698
  region: 31.853,-46.222 31.853,-44.972 30.478,-44.972 30.478,-46.222
  region: 31.853,-47.746 31.853,-46.496 30.478,-46.496 30.478,-47.746
  region: 30.253,-47.745 30.253,-46.495 28.878,-46.495 28.878,-47.745
  region: 30.253,-46.221 30.253,-44.971 28.878,-44.971 28.878,-46.221
  region: 30.253,-44.697 30.253,-43.447 28.878,-43.447 28.878,-44.697
  region: 31.853,-50.798 31.853,-49.548 30.478,-49.548 30.478,-50.798
  region: 31.853,-52.322 31.853,-51.072 30.478,-51.072 30.478,-52.322
  region: 31.853,-53.846 31.853,-52.596 30.478,-52.596 30.478,-53.846
  region: 30.253,-53.845 30.253,-52.595 28.878,-52.595 28.878,-53.845
  region: 30.253,-52.321 30.253,-51.071 28.878,-51.071 28.878,-52.321
  region: 30.253,-50.797 30.253,-49.547 28.878,-49.547 28.878,-50.797
  rectangle: 31.019,-61.167 32.269,-59.792
  rectangle: 29.495,-61.167 30.745,-59.792
  rectangle: 27.971,-61.167 29.221,-59.792
  rectangle: 27.971,-59.567 29.221,-58.192
  rectangle: 29.495,-59.567 30.745,-58.192
  rectangle: 31.019,-59.567 32.269,-58.192
  region: 13.149,-79.233 13.149,-80.483 14.524,-80.483 14.524,-79.233
  region: 13.149,-77.709 13.149,-78.959 14.524,-78.959 14.524,-77.709
  region: 13.149,-76.185 13.149,-77.435 14.524,-77.435 14.524,-76.185
  region: 14.749,-76.185 14.749,-77.435 16.124,-77.435 16.124,-76.185
  region: 14.749,-77.709 14.749,-78.959 16.124,-78.959 16.124,-77.709
  region: 14.749,-79.233 14.749,-80.483 16.124,-80.483 16.124,-79.233
  region: 9.949,-79.233 9.949,-80.483 11.324,-80.483 11.324,-79.233
  region: 9.949,-77.709 9.949,-78.959 11.324,-78.959 11.324,-77.709
  region: 9.949,-76.185 9.949,-77.435 11.324,-77.435 11.324,-76.185
  region: 11.549,-76.185 11.549,-77.435 12.924,-77.435 12.924,-76.185
  region: 11.549,-77.709 11.549,-78.959 12.924,-78.959 12.924,-77.709
  region: 11.549,-79.233 11.549,-80.483 12.924,-80.483 12.924,-79.233
Mechanical 1:
  circle w0.1: c67.4,-133.45 r1
  circle w0.1: c5.4,-5.45 r1.75
  circle w0.1: c11.4,-133.45 r1.75
  circle w0.1: c5.4,-61.45 r1.75
  circle w0.1: c5.4,-5.45 r1.75
  circle w0.1: c67.4,-133.45 r1
  circle w0.1: c68.58,-127.42 r0.55
  circle w0.1: c68.58,-124.88 r0.55
  circle w0.1: c68.58,-119.8 r0.55
  circle w0.1: c68.58,-122.34 r0.55
  circle w0.1: c68.58,-114.72 r0.55
  circle w0.1: c68.58,-117.26 r0.55
  circle w0.1: c68.58,-107.1 r0.55
  circle w0.1: c68.58,-109.64 r0.55
  circle w0.1: c68.58,-112.18 r0.55
  circle w0.1: c68.58,-99.48 r0.55
  circle w0.1: c68.58,-102.02 r0.55
  circle w0.1: c68.58,-104.56 r0.55
  circle w0.1: c71.12,-127.42 r0.55
  circle w0.1: c71.12,-124.88 r0.55
  circle w0.1: c71.12,-119.8 r0.55
  circle w0.1: c71.12,-122.34 r0.55
  circle w0.1: c71.12,-114.72 r0.55
  circle w0.1: c71.12,-117.26 r0.55
  circle w0.1: c72.4,-133.45 r1.75
  circle w0.1: c71.12,-107.1 r0.55
  circle w0.1: c71.12,-109.64 r0.55
  circle w0.1: c71.12,-112.18 r0.55
  circle w0.1: c71.12,-102.02 r0.55
  circle w0.1: c71.12,-104.56 r0.55
  circle w0.1: c71.12,-99.48 r0.55
  circle w0.1: c72.4,-90.45 r1.75
  circle w0.1: c68.58,-55.42 r0.55
  circle w0.1: c68.58,-52.88 r0.55
  circle w0.1: c68.58,-50.34 r0.55
  circle w0.1: c68.58,-47.8 r0.55
  circle w0.1: c68.58,-45.26 r0.55
  circle w0.1: c68.58,-42.72 r0.55
  circle w0.1: c68.58,-40.18 r0.55
  circle w0.1: c68.58,-37.64 r0.55
  circle w0.1: c68.58,-35.1 r0.55
  circle w0.1: c68.58,-32.56 r0.55
  circle w0.1: c66.4,-19.45 r1.75
  circle w0.1: c68.58,-30.02 r0.55
  circle w0.1: c68.58,-27.48 r0.55
  circle w0.1: c71.12,-55.42 r0.55
  circle w0.1: c71.12,-52.88 r0.55
  circle w0.1: c71.12,-50.34 r0.55
  circle w0.1: c71.12,-47.8 r0.55
  circle w0.1: c71.12,-45.26 r0.55
  circle w0.1: c71.12,-42.72 r0.55
  circle w0.1: c71.12,-40.18 r0.55
  circle w0.1: c71.12,-37.64 r0.55
  circle w0.1: c71.12,-35.1 r0.55
  circle w0.1: c71.12,-32.56 r0.55
  circle w0.1: c71.12,-30.02 r0.55
  circle w0.1: c71.12,-27.48 r0.55
  lines w0.1: 1.4,-79.826 ccw(c4.4,-79.826) 2.9,-82.424 ; 1.4,-79.826 ccw(c4.4,-79.826) 2.9,-82.424 ; 1.4,-79.826 1.4,-4.45 ; 1.4,-4.45 cw(c4.4,-4.45) 4.4,-1.45 ; 1.4,-4.45 cw(c4.4,-4.45) 4.4,-1.45 ; 2.9,-82.424 17.4,-90.795 ; 4.4,-10.95 ccw(c5.4,-10.95) 6.4,-10.95 ; 4.4,-10.95 ccw(c5.4,-10.95) 6.4,-10.95 ; 4.4,-10.95 4.4,-9.95 ; 4.4,-9.95 cw(c5.4,-9.95) 6.4,-9.95 ; 4.4,-9.95 cw(c5.4,-9.95) 6.4,-9.95 ; 4.4,-1.45 73.4,-1.45 ; 6.4,-134.45 ccw(c9.4,-134.45) 9.4,-137.45 ; 6.4,-134.45 ccw(c9.4,-134.45) 9.4,-137.45 ; 6.4,-134.45 6.4,-123.188 ; 6.4,-123.188 cw(c9.4,-123.188) 7.9,-120.59 ; 6.4,-123.188 cw(c9.4,-123.188) 7.9,-120.59 ; 6.4,-10.95 6.4,-9.95 ; 7.9,-120.59 17.4,-115.105 ; 9.4,-137.45 73.4,-137.45 ; 17.4,-115.105 ccw(c15.4,-111.641) 19.4,-111.641 ; 17.4,-115.105 ccw(c15.4,-111.641) 19.4,-111.641 ; 17.4,-90.795 cw(c15.4,-94.259) 19.4,-94.259 ; 17.4,-90.795 cw(c15.4,-94.259) 19.4,-94.259 ; 19.4,-111.641 19.4,-94.259 ; 73.4,-137.45 ccw(c73.4,-134.45) 76.4,-134.45 ; 73.4,-137.45 ccw(c73.4,-134.45) 76.4,-134.45 ; 73.4,-1.45 cw(c73.4,-4.45) 76.4,-4.45 ; 73.4,-1.45 cw(c73.4,-4.45) 76.4,-4.45 ; 76.4,-134.45 76.4,-4.45
Mechanical 2:
  circle w0.1: c5.4,-61.45 r4
  circle w0.1: c66.4,-19.45 r4
  circle w0.1: c72.4,-90.45 r4
  circle w0.1: c72.4,-133.45 r4
  circle w0.1: c5.4,-5.45 r4
  circle w0.1: c11.4,-133.45 r4
  lines w0.1: 76.4,-128.95 63.36,-128.95 63.36,-95.45 76.4,-95.45
Mechanical 15:
  lines w0.2: 57.15,-92.975 57.175,-92.95

## Text inside footprints (layer, text, board x,y; h text height)
Teufel_ASM_Label1M: Top Overlay "ASM REV '.ASM_Rev'" at 27.762,-114.021 h1 r90
Teufel_Copyright1M: Top Overlay "Copyright © '.Copyright_Year' Lautsprecher Teufel GmbH" at 14.751,-3.865 h1
Teufel_PCB_Label1M: Top Overlay "PCB REV '.PCB_Rev'" at 29.794,-114.021 h1 r90